# Altium PCB DAC_Sources.PcbDoc (part 1 of 8)
Units mm, origin at the board's own origin, x right, y up, seen from the top; angles counter-clockwise.
Board outline 277 x 137 mm, 8 copper layers (Top Layer, GND_02, SIG_03, PWR_04, PWR_05, SIG_06, GND_07, Bottom Layer), stack 1.669 mm thick; 635 components, 416 nets, 2247 pads, 2216 vias.
Unrouted connection lines stored in the file: 515.
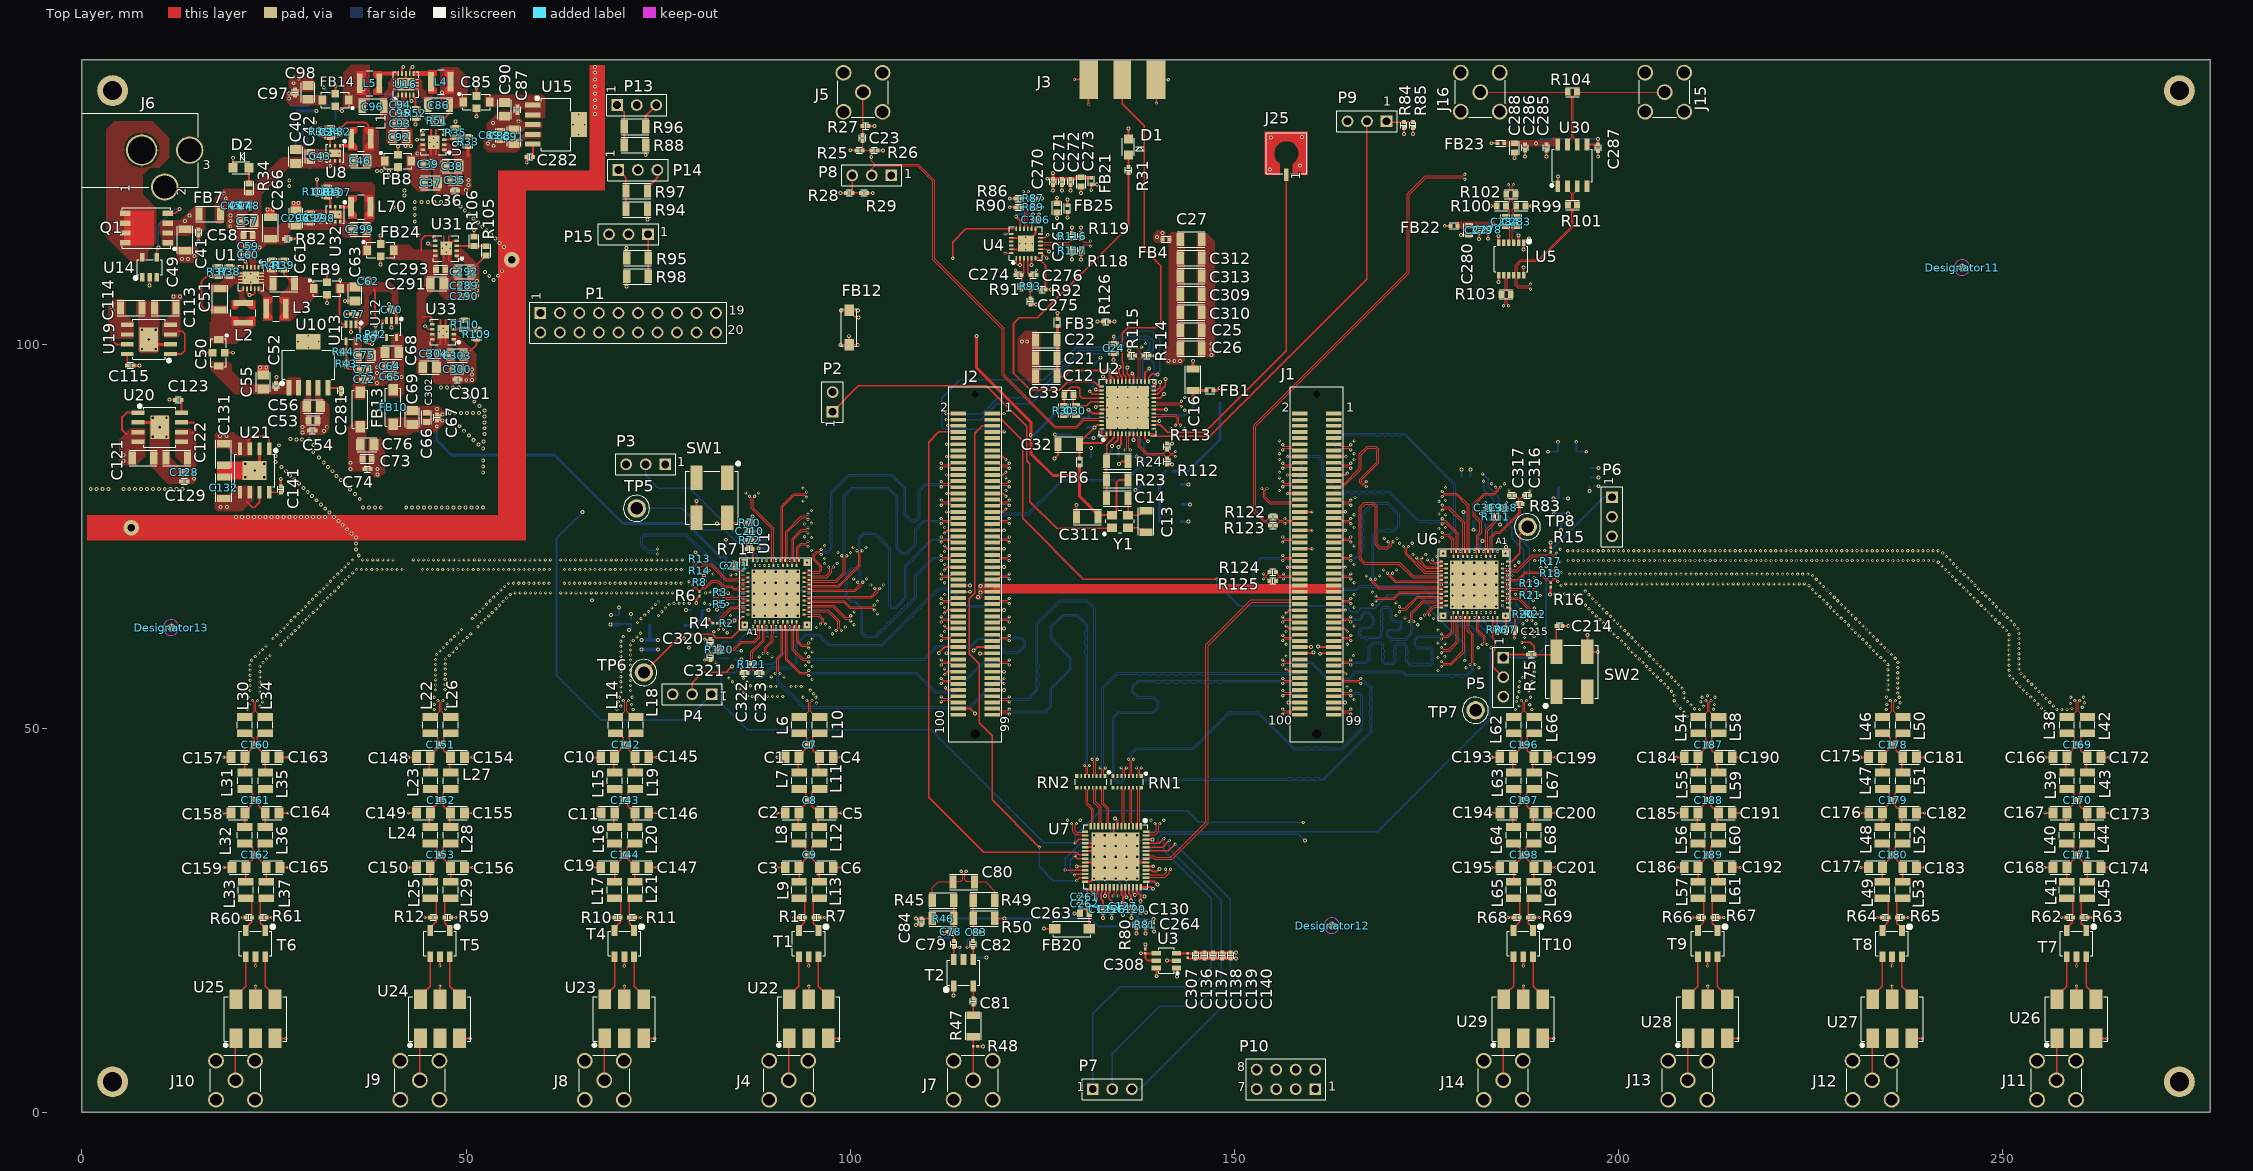
[diagram p0: Top Layer view]
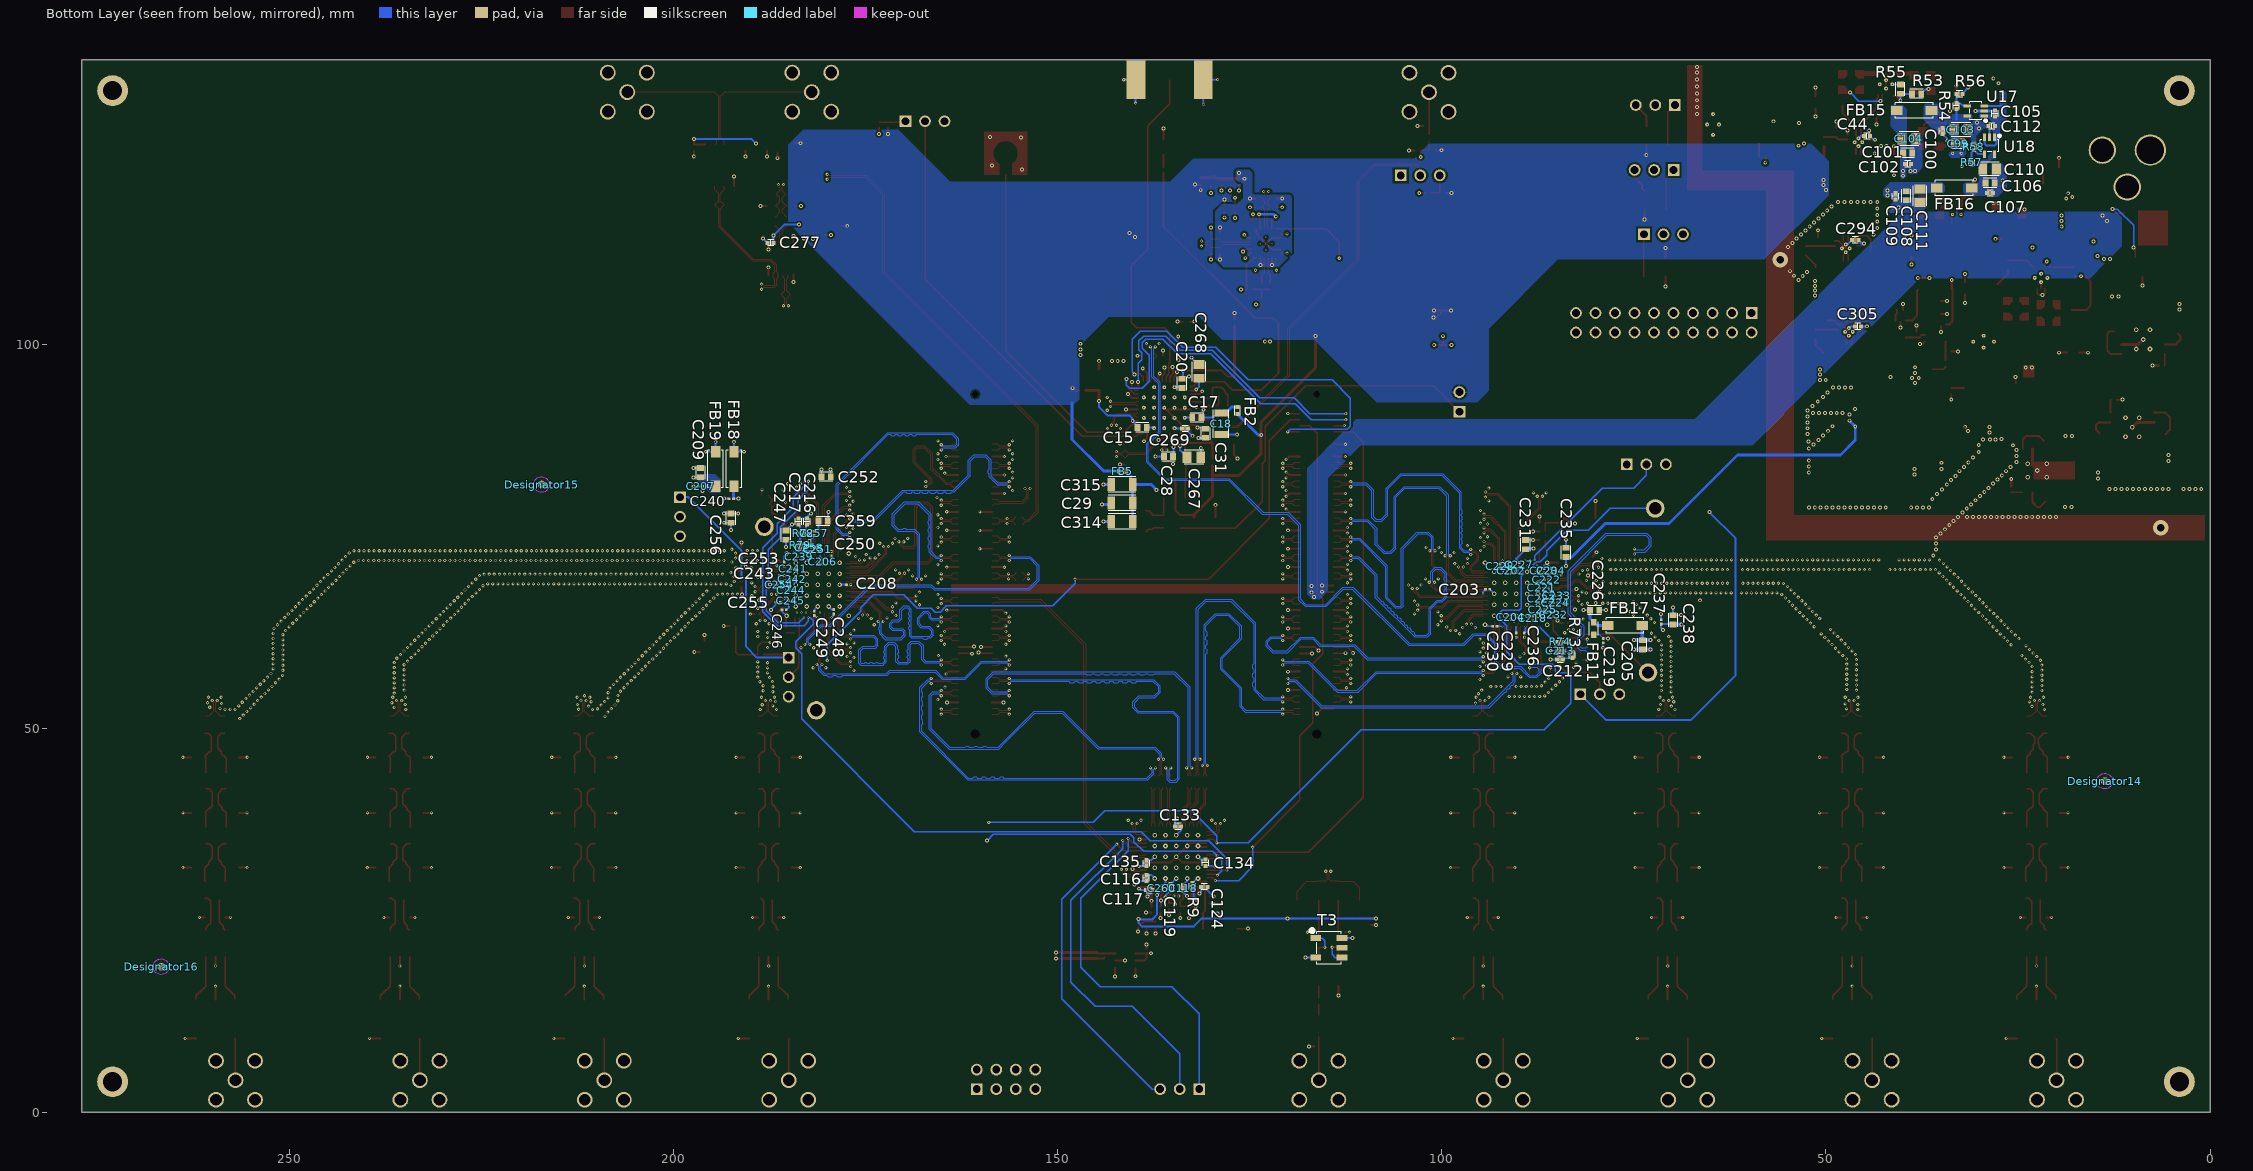
[diagram p1: Bottom Layer view, seen from below]
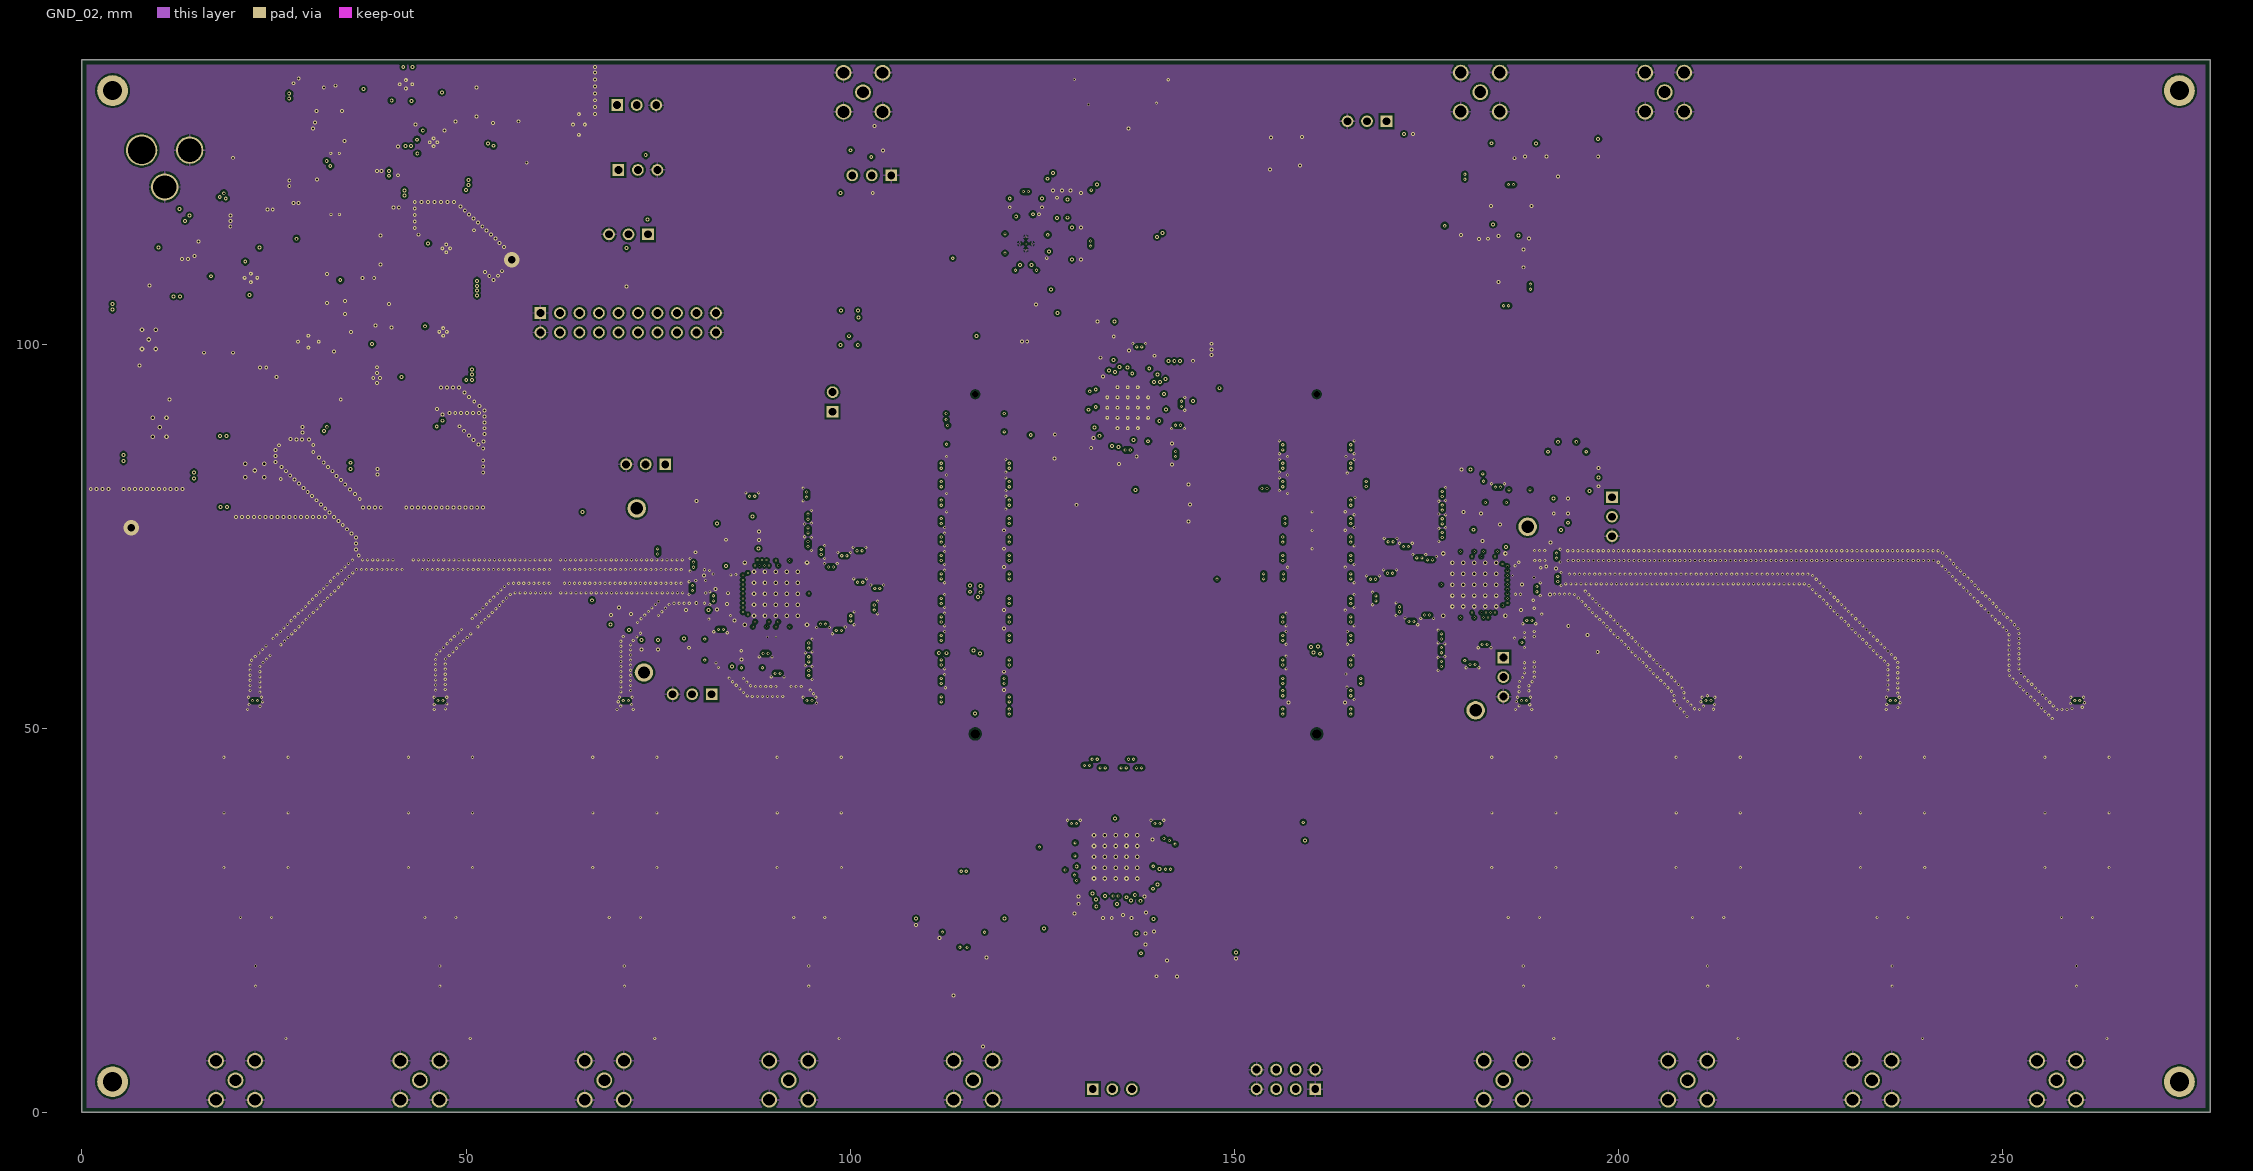
[diagram p2: GND_02]
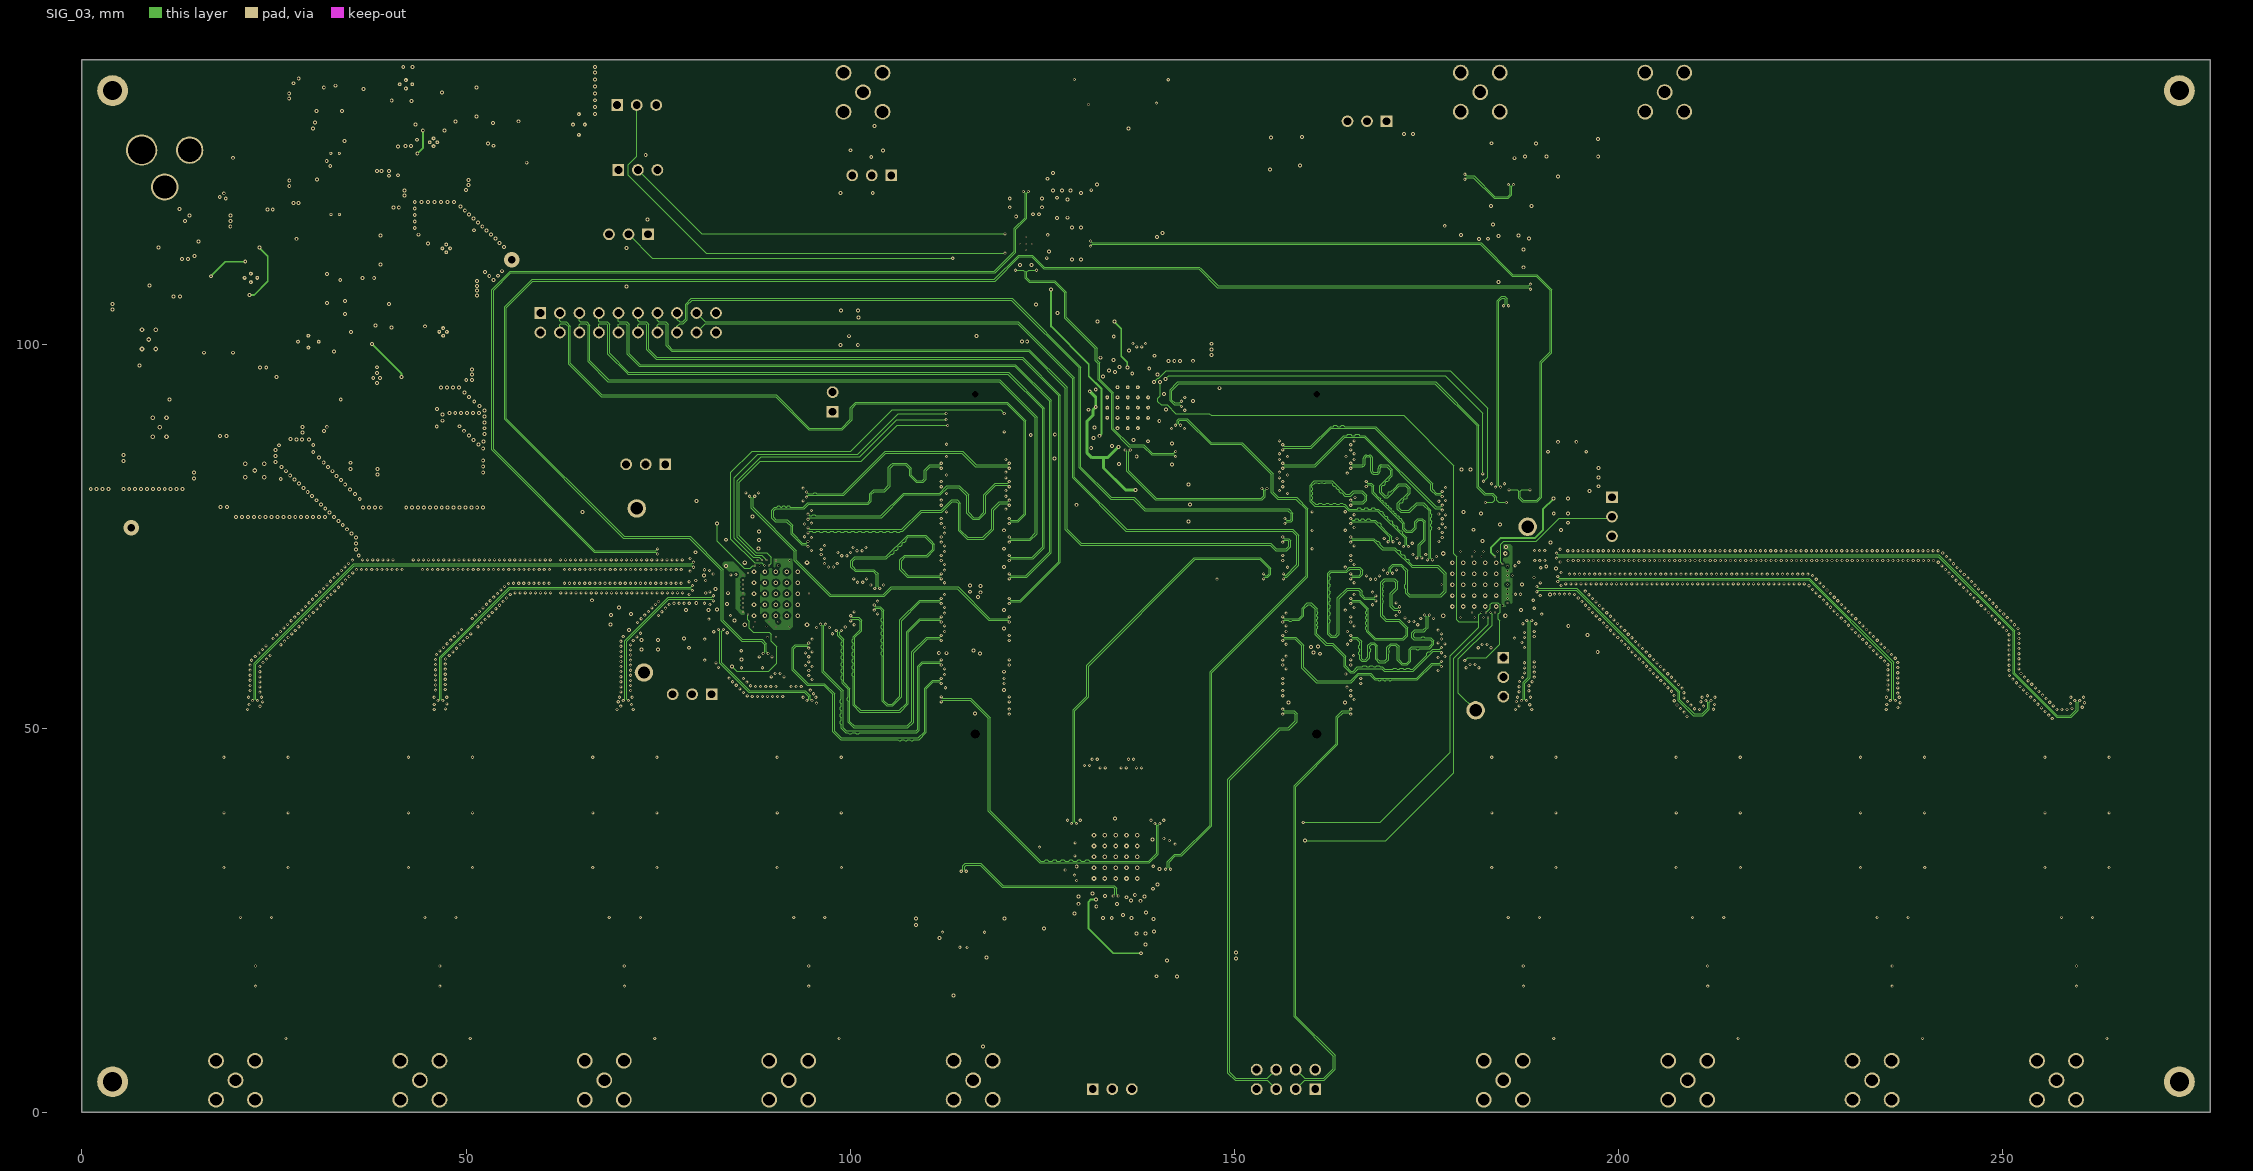
[diagram p3: SIG_03]
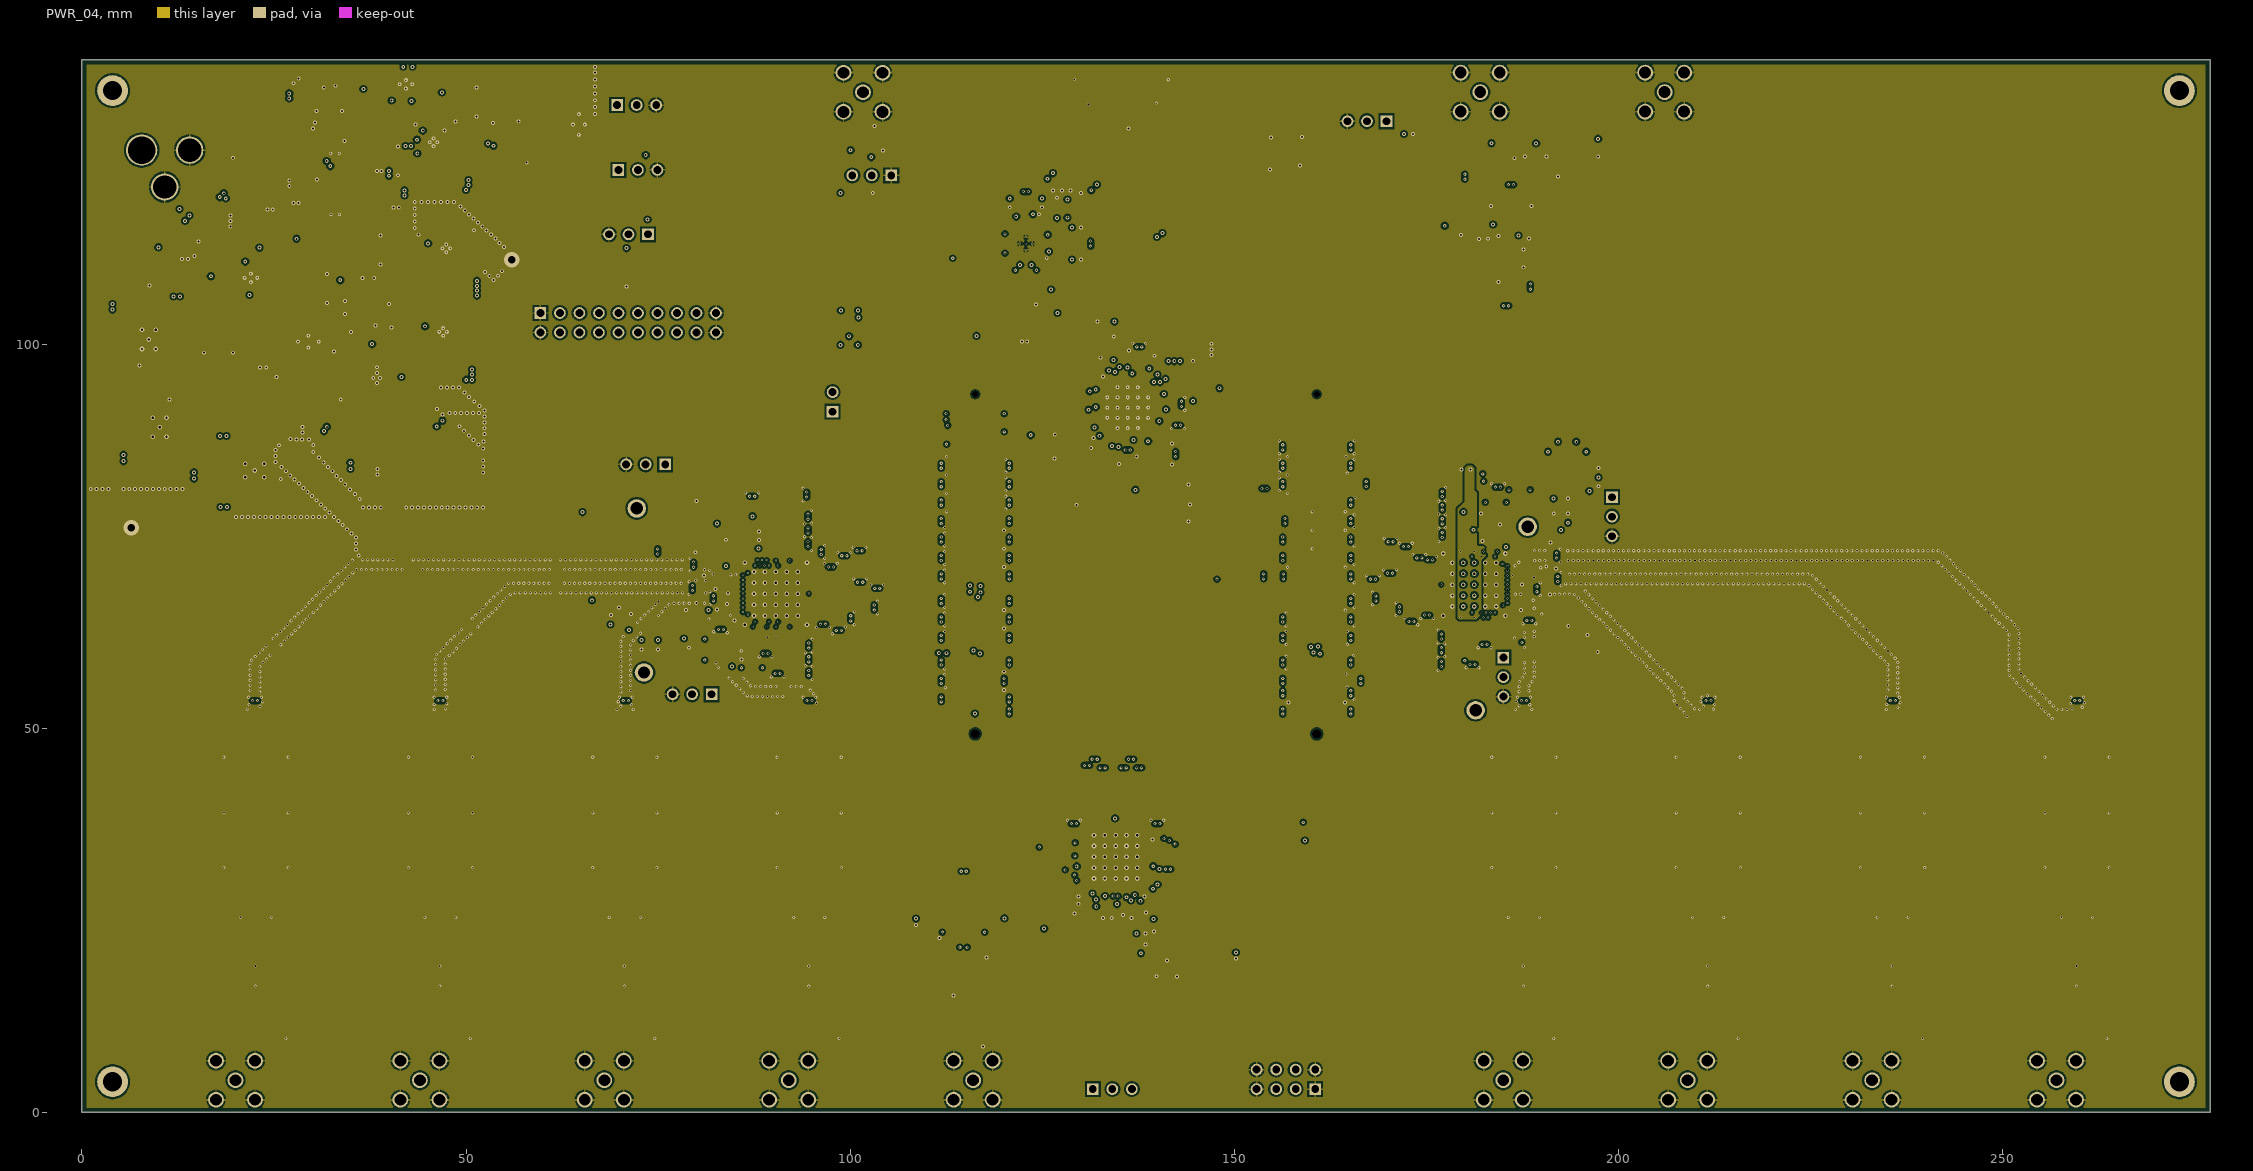
[diagram p4: PWR_04]
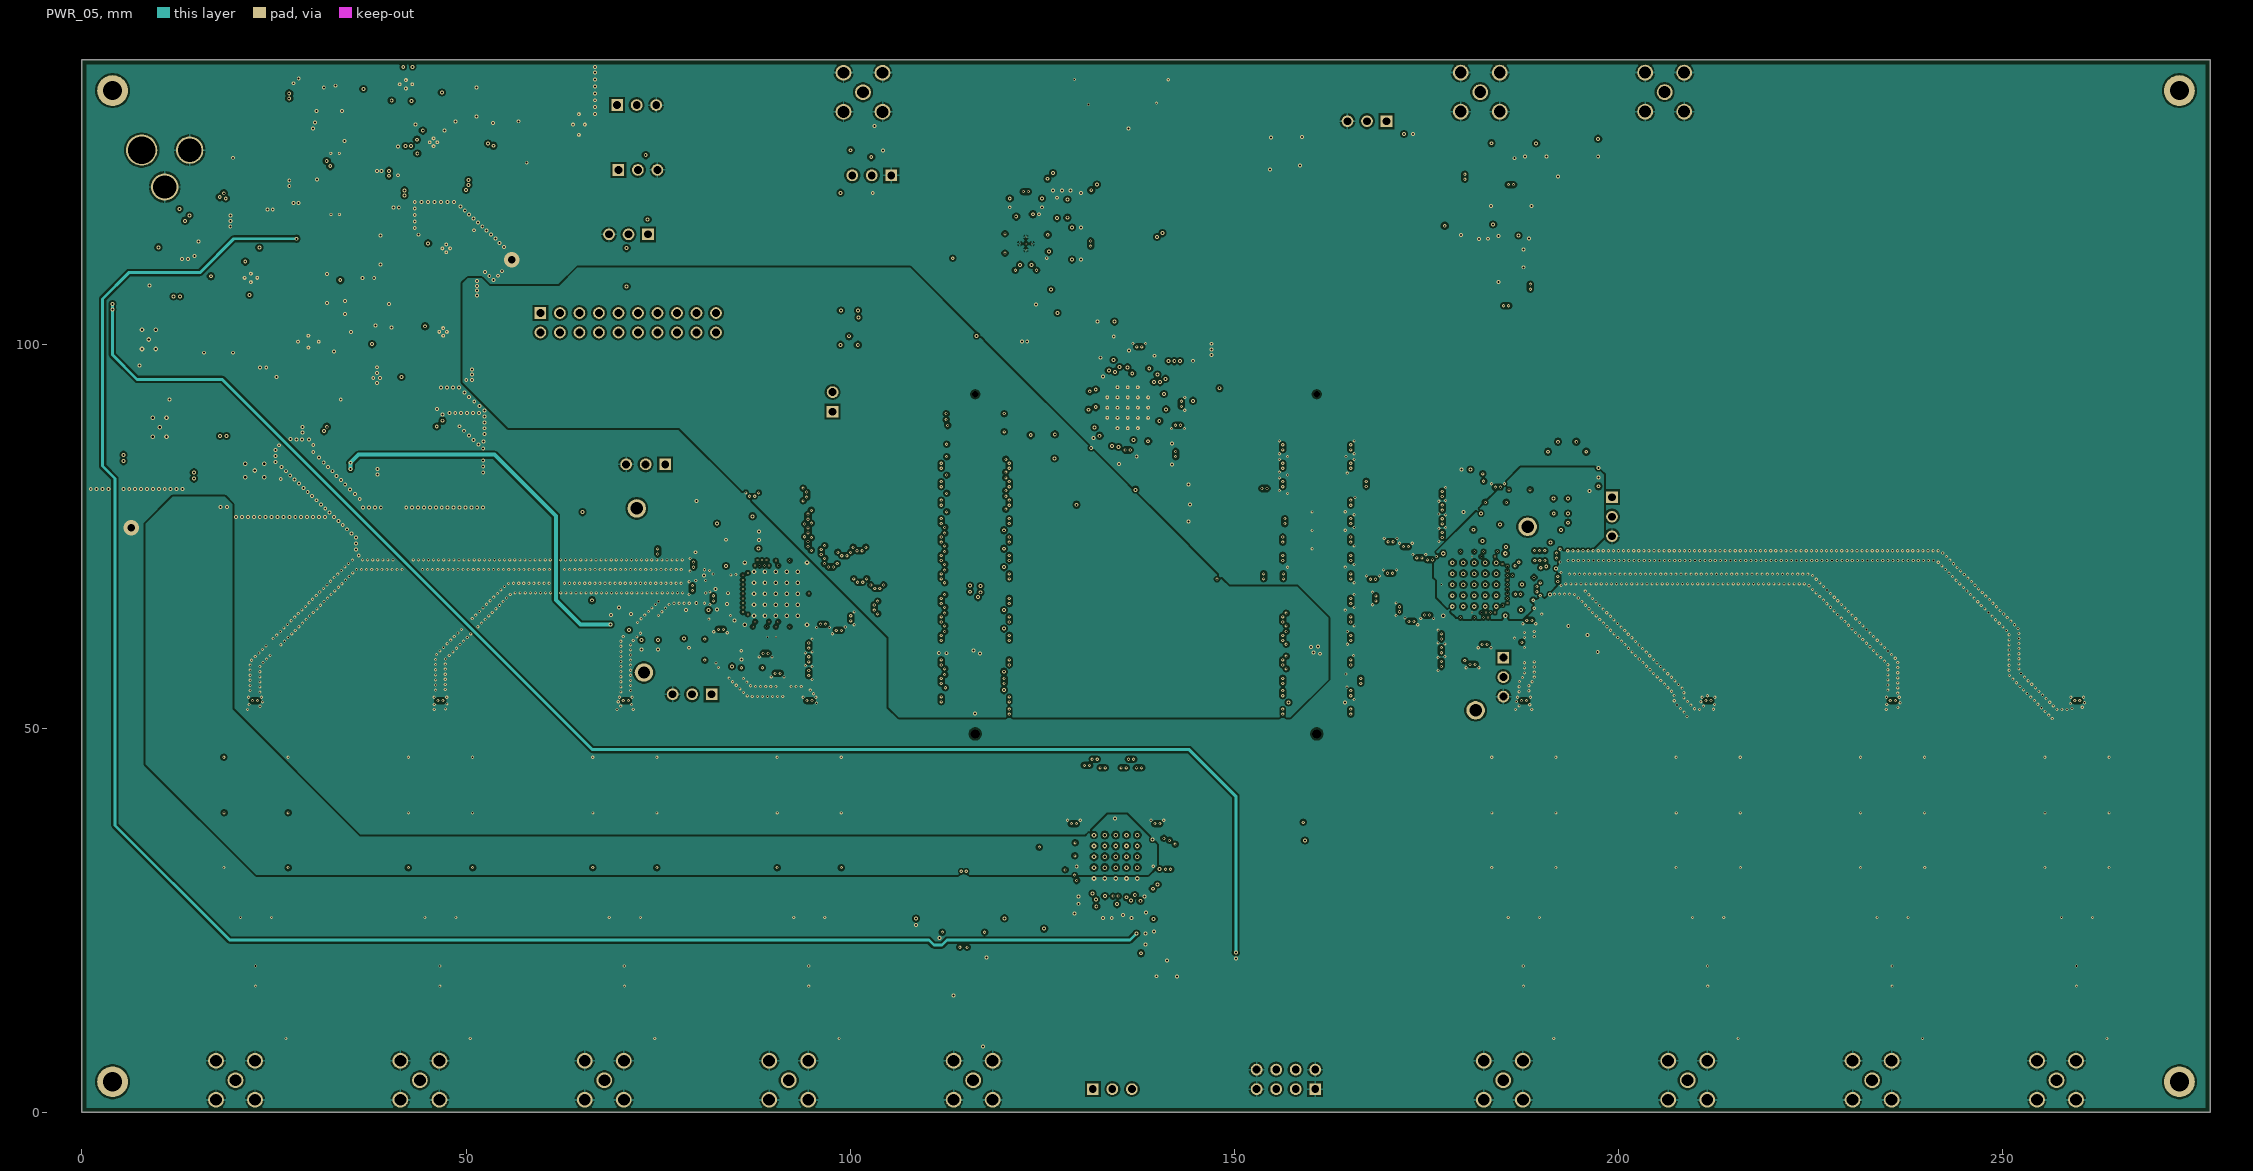
[diagram p5: PWR_05]